# KiCad board CYOA_Ortho.kicad_pcb (continued)
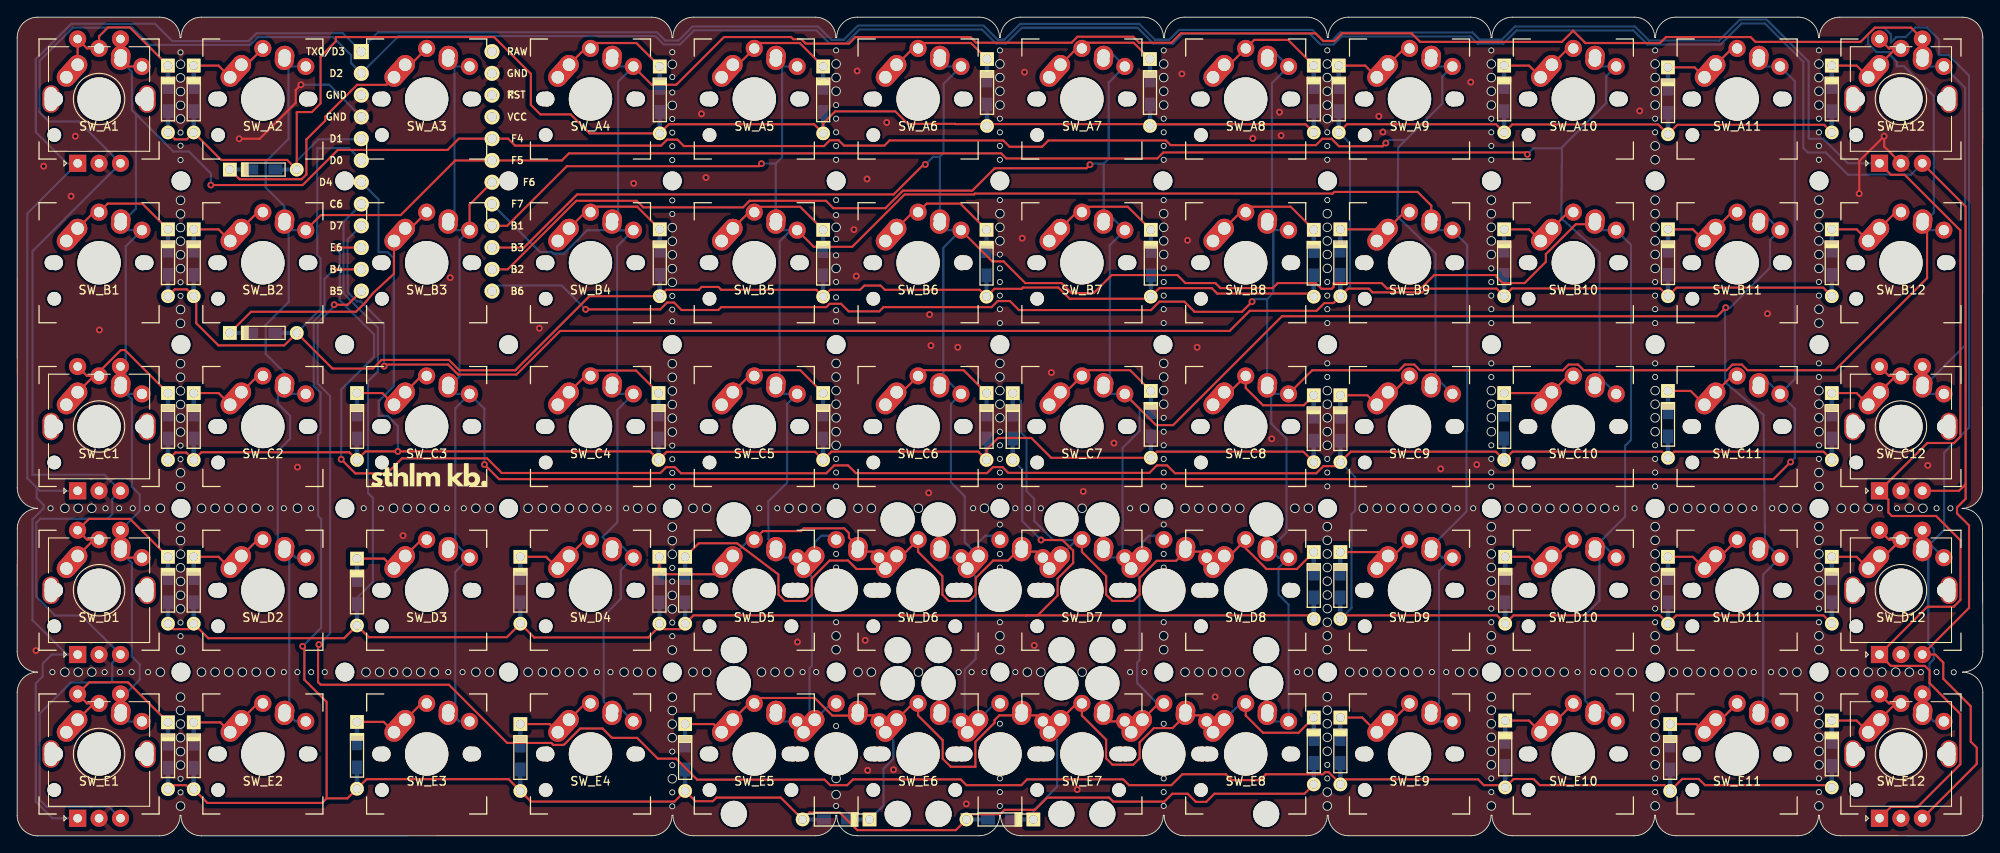
[diagram p0: board, top side]
## Nets (continued)

Pads without a net: U1 22 24

## Via types
v1: diameter 0.8, hole 0.4, Top to Bottom, 73 vias

## Routing (per net, layer and track width the routed paths; a pad name or vN(x,y) marks a point on that pad's centre or on a via; arc(x,y) is an arc through that point)
GND: length 31.2
  Top w0.25: SW4.C 217.69,80.41 v1(217.69,81.61) 214.79,78.71 v1(214.79,74.91) ; v1(33.09,87.61) 32.48,87 32.48,85.5 28.29,81.31 v1(25.89,81.31)
  Bottom w0.25: v1(33.09,87.61) 36.38,87.61 U1.4
  vias: v1(2.19,21.61) v1(3.09,78.11) v1(6.29,74.61) v1(6.79,81.61) v1(9.59,59.01) v1(32.69,43.01) v1(44.99,35.01) v1(50.49,65.11) v1(60.89,59.21) v1(71.89,76.11) v1(79.79,84.22) v1(80.32,76.79) v1(90.99,22.61) v1(97.57,70.71) v1(97.84,65.29) v1(97.95,89.22) v1(98.89,22.81) v1(99.1,76.62) v1(99.17,7.64) v1(101.39,83.21) v1(102.19,7.71) v1(106.29,40.01) v1(106.39,60.81) v1(106.55,57.19) v1(109.68,56.99) v1(110.67,3.73) v1(117.19,69.71) v1(117.46,89.08) v1(118.59,22.21) v1(120.59,54.04) v1(123.61,5.4) v1(124.31,40.17) v1(127.89,45.81) v1(135.81,88.88) v1(136.47,69.47) v1(137.59,56.99) v1(139.69,16.21) v1(144.08,81.35) v1(146.29,46.31) v1(147.19,84.41) v1(147.38,81.69) v1(158.78,83.93) v1(159.25,82.1) v1(165.99,42.81) v1(169.49,87.92) v1(170.19,43.31) v1(189.19,84.56) v1(204.09,60.91) v1(222.79,43.21)
A1RotA: length 17.7
  Top w0.25: D1.1 13.12,94.31 10.6,94.31 9.55,93.26 SW_A1.2 8.15,91.85 SW1.S2 SW_A1.2
A1RotB: length 290.1
  Top w0.25: 12.75,32.45 SW_D1.1 ; 12.75,89.75 SW_A1.1 ; v1(22.59,75.91) 33.29,75.91 37.39,80.01 50.19,80.01 51.5,81.32 U1.20 57.25,81.32 58.06,80.51 75.09,80.51 75.79,81.21 76.99,81.21 77.74,80.46 94.09,80.46 94.76,81.14 95.79,81.14 96.41,80.51 101.12,80.51 101.72,81.11 114.99,81.11 115.72,80.38 119.51,80.38 120.24,81.11 133.95,81.11 134.49,80.57 151.45,80.57 152.19,81.31 153.25,81.31 154.12,80.44 159.22,80.44 v1(159.59,80.81)
  Bottom w0.25: 12.62,16.55 14.29,18.21 14.29,20.01 13.38,20.92 13.38,31.83 SW_D1.1 ; SW_C9.1 166.07,52.83 SW_C9.1 ; SW_C9.1 165.39,52.79 165.39,67.94 160.95,72.25 161.03,80.28 161.92,81.18 ; 161.92,81.18 166.18,85.43 166.18,88.58 SW_A9.1 165.55,89.75 ; 161.92,81.18 159.95,81.18 v1(159.59,80.81) ; SW_A1.1 13.38,89.12 13.38,84.67 13.85,84.2 ; v1(22.59,75.91) 22.59,77.27 20.03,79.83 18.22,79.83 13.85,84.2 ; SW2.S1 14.29,37.89 14.29,39.81 13.38,40.72 13.38,50.92 SW_C1.1 ; SW_B1.1 13.85,73.15 13.85,84.2 ; 12.05,52.87 12.66,53.48 12.66,68.76 SW_B1.1 12.75,70.65 ; 12.75,13.35 SW_E1.1 ; 12.75,51.55 SW_C1.1
A12RotA: length 10.5
  Top w0.25: SW4.S2 218.25,91.85 SW_A12.2 ; SW_A12.2 214.48,89.85 D12.1 ; SW_A12.2 219.05,91.85
A12RotB: length 314.4
  Top w0.25: SW_A12.1 222.19,92.62 ; SW_A4.1 73.99,87.61 76.85,87.61 82.42,93.17 90.24,93.17 90.49,92.93 91.43,92.93 91.95,92.41 96.99,92.41 97.75,93.17 111.16,93.17 111.82,92.51 122.94,92.51 123.64,93.21 130.12,93.21 130.82,92.51 134.59,92.51 135.69,93.61 151.39,93.61 152.29,92.71 153.59,92.71 154.49,93.61 162.59,93.61 163.59,92.61 180.12,92.61 181.42,93.91 182.86,92.48 191.56,92.48 192.25,93.17 202.12,93.17 202.69,92.61 214.94,92.61 216.6,94.28 220.82,94.28 SW4.S1
  Bottom w0.25: SW_C12.1 227.14,57.24 227.14,87.26 SW_A12.1 222.85,89.75 ; 70.05,70.65 SW_B4.1 ; SW_B4.1 69.95,68.75 69.95,52.85 SW_C4.1 ; SW_B4.1 66.47,70.65 63.72,67.91 62.52,67.91 62.31,68.1 60.97,68.1 U1.17 ; 70.05,51.55 SW_C4.1 69.99,49.69 69.99,36.58 68.27,34.86 SW_D4.1 70.57,33.73 SW_D4.1 70.39,30.99 70.39,27.65 68.39,25.65 68.39,15.63 SW_E4.1 70.57,14.63 SW_E4.1 ; SW_B4.1 70.08,72.62 70.08,87.98 SW_A4.1 70.05,89.75 ; 222.85,51.55 SW_C12.1
C1RotA: length 16.8
  Top w0.25: SW_C1.2 8.95,53.65 ; D26.1 12.57,56.67 12.09,56.67 9.55,54.12 ; SW_C1.2 8.15,53.65 SW7.S2
C12RotA: length 10.5
  Top w0.25: SW_C12.2 218.25,53.65 SW8.S2 ; D25.1 214.48,51.65 SW_C12.2 ; SW_C12.2 219.05,53.65
col1: length 288.8
  Top w0.25: v1(176.09,79.5) 175.87,79.71 133.64,79.71 132.94,79.01 115.33,79.01 114.73,79.61 64.34,79.61 63.51,78.78 U1.19 51.09,78.78 44.72,72.41 35.41,72.41 SW_B2.1
  Bottom w0.25: SW_C10.1 185.17,52.83 SW_C10.1 184.52,53.36 184.52,67.98 180.06,72.03 180.12,80.21 ; SW_A2.1 31.64,89.96 31.64,81.3 28.98,78.64 28.98,75.62 31.15,73.45 SW_B2.1 31.66,70.84 31.66,62.27 28.98,59.59 28.98,56.22 31.15,54.05 SW_C2.1 30.39,51.49 30.39,50.44 31.83,48.99 31.83,46.32 30.39,44.87 30.39,34.11 30.29,34.01 ; 180.12,80.21 180.12,80.32 185.28,85.47 185.28,88.58 SW_A10.1 184.65,89.75 ; 180.12,80.21 176.8,80.21 v1(176.09,79.5) ; SW_E2.1 32.47,13.35 SW_E2.1 ; 31.85,51.55 SW_C2.1 ; 31.85,89.75 SW_A2.1 ; 31.73,15.17 31.73,32.57 ; 31.85,70.65 SW_B2.1 ; SW_D2.1 32.47,32.45 SW_D2.1
col2: length 310.4
  Top w0.25: SW_B3.1 52.75,73.62 U1.18 ; v1(54.49,43.31) 56.19,41.61 204.79,41.61 v1(206.79,43.61)
  Bottom w0.25: SW_C11.1 207.28,49.83 207.28,44.1 v1(206.79,43.61) ; SW_C11.1 204.27,52.83 SW_C11.1 ; SW_C11.1 207.28,53.28 207.28,88.03 SW_A11.1 203.75,89.75 ; 50.95,70.65 SW_B3.1 51.58,69.48 51.58,53.58 SW_C3.1 ; 50.95,89.75 SW_A3.1 ; SW_D3.1 51.47,33.73 SW_D3.1 51.09,30.79 51.09,15.43 SW_E3.1 51.57,13.35 SW_E3.1 ; SW_C3.1 54.47,49.83 54.47,43.33 v1(54.49,43.31) ; SW_C3.1 50.95,51.55 ; SW_C3.1 51.09,49.89 51.09,33.99 ; SW_A3.1 50.99,89.71 50.99,72.09 SW_B3.1
col4: length 272.8
  Top w0.25: SW_B9.1 164.89,73.52 163.3,75.11 153.59,75.11 153.4,74.92 111.66,74.92 111.55,74.81 103.47,74.81 97.37,68.71 92.89,68.71 SW_B5.1 ; U1.16 57.14,71.16 64.09,78.11 86.49,78.11 v1(86.79,78.41)
  Bottom w0.25: SW_A5.1 89.19,89.71 89.19,79.15 88.45,78.41 ; 165.55,70.65 SW_B9.1 169.07,68.92 169.07,47.24 168.99,47.16 168.99,37.83 SW_D9.1 166.17,32.45 SW_D9.1 165.79,30.89 165.79,15.53 SW_E9.1 ; SW_Ea5.1 94.9,15.45 ; SW_Da5.1 92.68,30.2 92.68,19.82 92.39,19.53 92.39,12.79 ; SW_C5.1 88.91,53.25 88.91,69.33 90.22,70.65 ; 89.15,89.75 SW_A5.1 ; 88.45,78.41 v1(86.79,78.41) ; 88.45,78.41 SW_B5.1 ; 89.15,51.55 SW_C5.1 89.78,50.38 89.78,41.2 87.59,39.01 87.59,34.63 SW_D5.1 ; 94.89,35.01 93.77,35.01 93,34.24 SW_Da5.1 ; 89.15,13.35 SW_E5.1 ; SW_E9.1 165.55,13.35 ; 89.15,32.45 SW_D5.1 ; SW_B5.1 89.15,70.65
col5: length 302.8
  Top w0.25: v1(105.89,78.31) 105.7,78.31 102.2,74.81 65.29,74.81 59.1,68.62 U1.15 ; SW_B6.1 113.69,67.01 115.01,67.01 117.55,64.48 121.79,64.48 122.96,63.31 125.52,63.31 127.62,65.41 135.29,65.41 136.22,64.48 139.72,64.48 140.31,63.89 146.4,63.89 146.99,64.48 151.42,64.48 152.09,63.81 153.29,63.81 153.49,64.01 153.49,64.45 153.52,64.48 159.1,64.48 159.73,63.85 163.67,63.85 165.23,65.41 172.49,65.41 172.51,65.39 172.51,65.19 173.22,64.48 175.77,64.48 178.25,66.96 178.25,67.85 181.75,71.35 SW_B10.1
  Bottom w0.25: 108.25,89.75 SW_A6.1 108.03,87.73 108.03,79.65 107.59,79.21 ; 107.59,79.21 106.79,79.21 v1(105.89,78.31) ; 107.59,79.21 SW_B6.1 ; 108.25,70.65 SW_B6.1 107.99,68.59 107.99,53.23 SW_C6.1 108.77,52.83 SW_C6.1 108.88,50.38 108.88,41.22 110.49,39.61 110.49,34.26 SW_Da6.1 112.1,34.24 112.87,35.01 113.99,35.01 ; 108.25,32.45 SW_D6.1 ; 108.25,13.35 SW_E6.1 ; SW_Ea6.1 114,15.45 ; SW_D10.1 184.49,32.61 184.49,27.43 182.79,25.73 182.79,15.83 SW_E10.1 185.17,14.63 SW_E10.1 ; SW_D10.1 185.17,33.73 SW_D10.1 187.49,37.23 187.49,45.51 188.18,46.2 188.18,68.92 SW_B10.1 184.65,70.65 ; SW_Da6.1 111.78,30.2 111.78,20.67 110.49,19.38 110.49,12.39
col6: length 315.7
  Top w0.25: SW_C7.1 132.79,47.91 134.79,47.91 147.49,60.61 198.22,60.61 v1(199.22,61.61) ; U1.14 57.19,66.08 65.19,74.08 72.24,74.08 73.01,73.31 84.64,73.31 85.4,74.08 94.31,74.08 95.18,73.21 101.24,73.21 103.29,75.26 111.36,75.26 113.98,77.88 124.67,77.88 v1(125.09,78.29) ; 133.1,15.45 SW_Ea7.1 ; 127.35,13.35 SW_E7.1
  Bottom w0.25: SW_A7.1 127.87,91.03 SW_A7.1 127.28,87.88 127.28,79 126.69,78.41 ; 127.35,51.55 SW_C7.1 130.88,49.83 130.88,47.24 128.89,45.26 128.89,37.91 128.91,37.89 128.91,35.92 128.89,35.9 128.89,32.71 ; 132.95,15.45 130.59,17.81 130.59,20.21 130.88,20.5 130.88,30.2 SW_Da7.1 ; 203.59,15.13 203.59,30.49 SW_D11.1 204.27,33.73 SW_D11.1 ; 126.69,78.41 SW_B7.1 127.87,71.93 SW_B7.1 127.4,68.9 127.4,53.54 SW_C7.1 ; 126.69,78.41 125.21,78.41 v1(125.09,78.29) ; SW_E11.1 203.75,13.35 ; SW_B11.1 204.27,71.93 SW_B11.1 204.38,69.48 204.38,66.27 199.73,61.61 v1(199.22,61.61) 199.13,61.52 199.17,52.89 203.63,49.1 203.8,34.44 203.55,34.19 ; 133.09,35.01 131.97,35.01 131.2,34.24 SW_Da7.1 ; 127.35,32.45 SW_D7.1
D1RotA: length 18.6
  Top w0.25: SW_D1.2 8.95,34.55 ; D48.1 13.16,36.97 8.38,36.97 SW2.S2 8.15,34.55 SW_D1.2
D12RotA: length 10.5
  Top w0.25: SW5.S2 218.25,34.55 SW_D12.2 217.75,32.65 ; SW_D12.2 214.48,32.55 D37.1
D12RotB: length 404.4
  Top w0.25: v1(66.29,61.41) 74.98,61.41 75.78,62.21 76.59,62.21 77.46,61.34 81.77,61.34 82.1,61.67 94.35,61.67 94.74,62.06 96.07,62.06 96.95,61.18 100.53,61.18 101.02,61.67 113.62,61.67 114.33,62.38 115.76,62.38 116.81,61.33 132.21,61.33 133.19,62.31 136.1,62.31 137.28,61.13 142.81,61.13 v1(143.99,62.31) ; SW_C8.1 151.01,54.31 161.14,54.31 161.8,54.97 162.9,54.97 163.56,54.31 180.24,54.31 180.9,54.97 182,54.97 182.66,54.31 199.34,54.31 200,54.97 201.1,54.97 201.76,54.31 211.96,54.31 222.7,65.05 222.7,70.8 SW_B12.1
  Bottom w0.25: SW_E12.1 223.47,13.35 SW_E12.1 ; SW_D12.1 223.37,33.73 SW_D12.1 ; SW_B8.1 146.45,70.65 ; v1(143.99,62.31) 144.29,62.61 145.75,62.61 ; 55.45,63.62 56.01,64.18 63.52,64.18 v1(66.29,61.41) ; 222.85,33.85 224.69,35.69 224.69,44.71 227.59,47.61 227.59,88.69 225.2,91.08 224.1,91.08 224.1,92.87 222.7,94.28 221.3,94.28 220.2,93.17 219.1,93.17 218.47,92.55 218.47,93.5 217.7,94.28 216.6,94.28 215.82,93.5 215.82,92.4 216.8,91.42 218.36,91.42 218.36,91.1 219.17,90.29 219.17,89.78 220,89.78 223.48,86.31 223.48,72.67 SW_B12.1 ; 145.75,62.61 SW_C8.1 146.23,51.77 146.23,48.08 148.01,46.31 148.01,35.41 SW_D8.1 ; 145.75,62.61 146.47,63.33 146.47,70.63 SW_B8.1 146.31,71.91 146.31,87.81 SW_A8.1 146.97,91.03 SW_A8.1 ; SW_B12.1 222.85,70.65 ; SW_C8.1 146.45,51.55 ; SW_D12.1 222.84,32.46 222.84,22.47 223.48,21.84 223.48,20.6 222.99,20.11 222.99,16.03 221.58,14.62 ; 146.45,13.35 SW_E8.1 148.25,26.96 147.08,28.13 147.08,31.28 SW_D8.1 147.07,32.45 SW_D8.1
E1RotA: length 18.7
  Top w0.25: D50.1 12.92,17.91 8.41,17.91 SW3.S2 8.15,15.45 SW_E1.2 ; SW_E1.2 8.95,15.45
E12RotA: length 10.5
  Top w0.25: SW6.S2 218.25,15.45 SW_E12.2 ; SW_E12.2 214.48,13.45 D49.1 ; SW_E12.2 219.05,15.45
encA: length 462.4
  Top w0.25: SW4.A 218.49,77.11 220.09,77.11 226.57,70.62 226.57,46.55 225.85,45.83 222.73,45.83 SW8.A 218.19,39.21 218.19,37.71 218.59,37.31 223.75,37.31 226.59,34.47 226.59,27.51 225.8,26.72 222.73,26.72 SW5.A 218.47,19.83 222.44,19.83 222.99,19.28 222.99,17.81 226.58,14.22 226.58,8.36 221.6,3.38 218.47,3.38 SW6.A
  Bottom w0.25: SW3.A 4.12,2.05 2.17,4 2.17,17.8 2.99,18.61 2.99,20.1 4.04,21.15 SW2.A 5.8,21.15 1.79,25.16 1.79,36.91 3.09,38.21 3.09,38.61 2.29,39.41 2.29,40.61 ; SW4.A 213.45,78.45 210.59,81.31 208.99,81.31 208.89,81.41 208.89,90.31 203.99,95.21 200.89,95.21 198.44,92.76 190.27,92.76 188.62,94.41 174.65,94.41 173.1,92.86 170.54,92.86 169.69,93.71 154.25,93.71 153.3,92.76 152.26,92.76 151.01,94.01 135.49,94.01 134.34,92.86 132.67,92.86 130.82,94.71 116.95,94.71 115.1,92.86 114.34,92.86 112.69,94.51 98.05,94.51 96.4,92.86 94.92,92.86 93.37,94.41 78.75,94.41 77.1,92.76 75.57,92.76 74.6,93.74 42.08,93.74 40.13,91.79 ; 2.29,40.61 1.19,41.71 1.19,72.59 SW1.A 5.8,78.45 2.17,82.08 2.17,90.6 6.3,94.72 16.08,94.72 18.09,92.71 27,92.71 27.91,93.62 37.99,93.62 U1.1 ; 2.29,40.61 2.65,40.25 SW7.A
encB: length 479.1
  Top w0.25: 227.19,41.01 227.19,39.31 226.19,38.31 226.19,37.61 227.59,36.21 227.59,26.59 SW5.B 223.65,21.15 224.59,20.21 224.59,18.32 227.79,15.12 227.79,10.99 228.49,10.29 228.49,8.39 SW6.B ; 227.19,41.01 227.19,73.41 SW4.B ; 227.19,41.01 226.43,40.25 SW8.B
  Bottom w0.25: SW3.B 10.73,3.38 3.45,3.38 2.62,4.2 2.62,14.25 6.25,17.88 10.85,17.88 11.09,18.11 11.09,20.19 SW2.B 7.49,25.71 4.41,25.71 2.24,27.89 2.24,36.52 2.71,36.99 10.57,36.99 11.09,37.51 11.09,39.29 SW7.B 10.19,42.11 1.79,42.11 1.79,68.19 SW1.B 7.18,83.32 3.69,83.32 2.62,84.39 2.62,90.4 6.5,94.28 13.42,94.28 15.44,92.26 27.19,92.26 28.1,93.17 36.83,93.17 38.93,91.07 38.93,90.14 U1.2 44.47,93.29 74.41,93.29 75.39,92.31 77.29,92.31 78.94,93.96 93.19,93.96 94.74,92.41 96.59,92.41 98.24,94.06 112.5,94.06 114.15,92.41 115.29,92.41 117.14,94.26 130.64,94.26 132.49,92.41 134.79,92.41 135.94,93.56 150.74,93.56 151.99,92.31 153.49,92.31 154.44,93.26 169.44,93.26 170.29,92.41 173.29,92.41 174.84,93.96 188.44,93.96 190.09,92.31 198.62,92.31 201.07,94.76 203.8,94.76 208.27,90.29 208.27,80.23 208.79,79.71 210.89,79.71 213.47,77.12 220.82,77.12 SW4.B
rowA: length 169.7
  Top w0.25: D8.2 150.24,83 132.28,83 ; 132,82.72 131.7,83.02 109.39,83.02 109.37,83.04 109.38,83.05 103.85,83.05 102.39,84.51 95.39,84.51 93.98,83.1 D5.2 92.93,83 75.99,83 D4.2 66.75,81.95 64.55,84.15 61.01,84.15 59.9,85.26 59.9,88.89 55.61,93.17 37.16,93.17 37.16,92.68 35.38,90.9 35.38,85.44 34.36,84.43 32.6,84.43 D3.2 31.48,78.84 23.79,78.84 D2.2 19.79,81.25 18.39,81.25 D1.2
  Bottom w0.25: 40.13,81.25 35.13,81.25 32.6,78.73 D3.2
rowB: length 177.2
  Top w0.25: D14.2 19.79,63.75 18.39,63.75 D13.2 ; 20.89,62.65 20.89,59.79 23.47,57.21 31.15,57.21 D15.2 36.76,54.51 41.49,54.51 42.49,55.51 50.35,55.51 51.55,54.31 58.09,54.31 66.72,62.95 D16.2 75.68,63.7 79.47,63.7 79.8,64.03 81.76,64.03 82.1,63.7 93.18,63.7 D17.2 94.78,63.7 98.29,63.7 98.78,64.19 100.67,64.19 101.17,63.7 112.23,63.7 D18.2 113.95,63.81 117.13,63.81 117.28,63.96 121.41,63.96 122.72,62.65 131.94,62.65 D19.2 133.18,63.89 139.29,63.89 139.92,63.26 150.82,63.26 D20.2
  Bottom w0.25: D15.2 35.38,61.44 35.38,67.36 34.99,67.74 34.99,80.21 38.7,80.21 U1.6
rowC: length 176.8
  Top w0.25: D33.2 149.97,44.81 132.9,44.81 D32.2 120.57,44.1 118.26,46.41 114.39,46.41 113.03,45.06 D31.2 112.06,44.82 94.96,44.82 D30.2 93.04,44.79 75.73,44.79 D29.2 73.8,44.84 40.62,44.84 D28.2 38.73,44.74 21.48,44.74 D27.2 19.73,44.71 18.45,44.71 D26.2
  Bottom w0.25: v1(44.39,44.84) 44.39,44.84 44.39,47.8 43.19,49 42.15,49 42.15,50.7 43.92,52.47 43.92,67.37 43.19,68.1 42.15,68.1 42.15,74.22 U1.7
rowD: length 217.4
  Top w0.25: 117.64,25.72 150.77,25.72 150.94,25.55 ; 117.64,25.72 119,25.72 121.32,28.05 121.32,30.02 123.13,31.83 123.13,33.26 121.88,34.51 v1(119.39,34.51) ; 117.64,25.72 117.65,25.71 78.85,25.71 77.25,24.11 75.53,24.11 75.05,24.59 73.6,23.14 60.28,23.14 D41.2 57.1,23.17 41,23.17 D40.2 38.14,23.05 22.28,23.05 D39.2 19.95,24.11 18.23,24.11 D48.2
  Bottom w0.25: D44.2 117.19,42.74 117.19,36.71 v1(119.39,34.51) ; U1.8 38.06,71.64 38.06,63.27 42.06,59.27 42.06,54.19 40.91,53.04 40.91,39.99 41.49,39.41 41.49,29.62 39.63,27.76 D40.2
rowE: length 274.9
  Top w0.25: D9.2 155.05,83 172.44,83 D10.2 174.32,82.98 191.35,82.98 D11.2 193.59,82.94 210.69,82.94 D12.2 ; v1(42.79,54.79) 42.97,54.97 50.25,54.97 51.41,53.81 58.22,53.81 63.31,58.89 141.37,58.89 143.72,61.25 151.52,61.25 152.43,62.15 153.49,62.15 D21.2 155.16,63.83 157.62,63.83 158.04,63.4 163.85,63.4 164.27,63.82 172.51,63.82 D22.2 174.29,63.85 191.59,63.85 D23.2 193.48,63.94 210.59,63.94 D24.2
  Bottom w0.25: U1.9 38.53,69.57 38.53,63.44 39.63,62.34 40.06,62.34 42.79,59.61 v1(42.79,54.79) ; D9.2 155.41,80.74 155.41,64.08 D21.2
rowF: length 289.9
  Top w0.25: D34.2 155.51,44.81 172.43,44.81 D35.2 174.35,44.81 191.78,44.81 D36.2 193.2,44.81 210.62,44.81 D25.2 ; v1(37.34,68.61) 37.35,68.62 U1.10 ; 154.7,25.71 172.54,25.71 D47.2 174.47,25.71 191.53,25.71 D38.2 193.45,25.71 210.62,25.71 D37.2 ; v1(37.79,43.93) 39.43,42.28 43.13,42.28 44.88,44.04 54.79,44.04 56.5,42.32 74.99,42.32 75.69,43.01 76.69,43.01 77.41,42.29 94.35,42.29 95.27,43.21 96.89,43.21 97.79,42.31 113.09,42.31 113.79,43.01 114.89,43.01 115.56,42.34 132.02,42.34 132.89,43.21 134.09,43.21 135.01,42.29 151.48,42.29 152.31,43.13 153.82,43.13
  Bottom w0.25: v1(37.79,43.93) 37.79,52.06 41.61,55.89 41.61,58.49 37.59,62.51 37.61,62.54 37.61,67.99 37.34,68.26 v1(37.34,68.61) ; D46.2 155.59,26.6 155.59,37.53 156.01,37.95 156.01,41.87 154.49,43.39
rowG: length 211.1
  Top w0.25: 36.09,4.38 36.09,15.61 33.49,18.21 33.49,21.91 v1(33.29,22.11) ; 36.09,4.38 38.51,4.38 D52.2 40.75,6.61 57.3,6.61 D53.2 59.91,4 76.65,4 D54.2 79.08,4.04 81.12,4.04 81.54,4.46 89.04,4.46 D55.2 92.39,2.71 95.91,2.71 97.96,0.67 109.44,0.67 D56.2 111.3,2.53 114.61,2.53 115.12,3.04 118.68,3.04 120.11,4.46 127.32,4.46 127.8,3.99 133.77,3.99 134.69,4.91 136.49,4.91 137.44,3.96 138.65,3.96 139.6,4.91 150.1,4.91 D57.2 ; 36.09,4.38 35.56,3.84 22.19,3.84 D51.2 ; v1(36.89,66.01) 36.96,66.08 U1.11 ; 18.06,5.91 19.69,5.91 20.16,5.44
  Bottom w0.25: v1(36.89,66.01) 35.83,64.95 35.83,61.25 34.59,60.02 34.59,52.49 35.38,51.7 35.38,47 35.09,46.71 35.09,37.31 35.45,36.95 35.45,24.27 v1(33.29,22.11)
rowH: length 237.6
  Top w0.25: 173.24,5.91 171.02,5.91 170.34,6.59 154.88,6.59 D58.2 ; v1(35.19,22.31) 35.09,22.21 35.09,17.93 35.39,17.62 50.35,17.62 57.14,10.84 62.29,10.84 62.52,10.61 63.73,10.61 65.65,12.52 68.26,12.52 69.35,11.43 72.28,11.43 74.7,9.01 76.83,9.01 79.29,6.55 94.15,6.55 94.79,5.91 96.79,5.91 97.46,6.58 110.02,6.58 110.69,5.91 117.09,5.91 117.77,6.59 128.97,6.59 129.65,5.91 134.59,5.91 135.86,7.18 140.93,7.18 141.61,6.5 144.92,6.5 145.6,7.18 152.26,7.18 152.5,7.42 152.92,7.42 154.29,6.06 ; U1.12 38.54,61.96 v1(36.96,61.96) ; 211.32,5.91 196.81,5.91 196.08,6.64 194.15,6.64 D60.2 192.07,5.91 177.54,5.91 176.83,6.62 174.48,6.62 D59.2
  Bottom w0.25: v1(36.96,61.96) 36.96,61.75 35.04,59.83 35.04,52.76 36.5,51.3 36.5,23.62 v1(35.19,22.31)
Net-(D2-K): length 9.6
  Top w0.25: D2.1 23.48,89.85 SW_A2.2 ; SW_A2.2 25.29,88.49
Net-(D3-K): length 29.9
  Top w0.25: SW_A3.2 43.05,87.6 39.63,87.6 35.92,83.9 35.92,83.43 33.73,81.23 33.73,77.15 33.17,76.59 25.93,76.59 D3.1 ; SW_A3.2 45.85,89.95
Net-(D4-K): length 12.2
  Top w0.25: D4.1 72.2,92.48 67.48,92.48 SW_A4.2 ; SW_A4.2 66.25,91.85
Net-(D5-K): length 12.1
  Top w0.25: 84.05,89.95 SW_A5.2 86.58,92.48 91.25,92.48 D5.1
Net-(D6-K): length 11.8
  Top w0.25: SW_A6.2 105.68,92.48 111.22,92.48 D6.1 ; SW_A6.2 104.45,91.85
Net-(D7-K): length 11.8
  Top w0.25: SW_A7.2 123.55,91.85 ; 132.19,90.51 130.18,92.52 124.82,92.52 SW_A7.2
Net-(D8-K): length 12.3
  Top w0.25: 141.35,89.95 SW_A8.2 144.25,92.85 148.19,92.85 D8.1
Net-(D9-K): length 7.7
  Top w0.25: SW_A9.2 161.75,91.85 ; SW_A9.2 157.18,89.85 D9.1
Net-(D10-K): length 7.5
  Top w0.25: D10.1 176.28,89.85 SW_A10.2 ; SW_A10.2 180.85,91.85
Net-(D11-K): length 7.4
  Top w0.25: D11.1 195.59,89.64 SW_A11.2 ; SW_A11.2 199.95,91.85
Net-(D13-K): length 12.4
  Top w0.25: D13.1 14.59,73.75 10.55,73.75 SW_B1.2 ; SW_B1.2 8.95,72.75
Net-(D14-K): length 7.5
  Top w0.25: SW_B2.2 28.05,72.75 ; SW_B2.2 23.48,70.75 D14.1
Net-(D15-K): length 28.5
  Top w0.25: SW_B3.2 45.85,70.85 ; SW_B3.2 43.94,65.56 41.5,63.31 40.67,62.3 39.51,61.14 27.27,61.14 D15.1
Net-(D16-K): length 12.1
  Top w0.25: SW_B4.2 67.49,73.39 72.29,73.39 D16.1 ; SW_B4.2 66.25,72.75
Net-(D17-K): length 12.1
  Top w0.25: D17.1 91.3,73.38 86.58,73.38 SW_B5.2 ; SW_B5.2 85.35,72.75
Net-(D18-K): length 12.3
  Top w0.25: SW_B6.2 104.45,72.75 ; D18.1 109.98,73.75 106.05,73.75 SW_B6.2
Net-(D19-K): length 12.1
  Top w0.25: SW_B7.2 123.55,72.75 ; SW_B7.2 124.78,73.38 129.5,73.38 D19.1
Net-(D20-K): length 12
  Top w0.25: SW_B8.2 143.88,73.38 148.5,73.38 D20.1 ; SW_B8.2 142.65,72.75
Net-(D21-K): length 8.1
  Top w0.25: SW_B9.2 161.75,72.75 ; D21.1 159.75,70.75
Net-(D22-K): length 7.5
  Top w0.25: SW_B10.2 180.85,72.75 ; SW_B10.2 176.28,70.75 D22.1
Net-(D23-K): length 7.5
  Top w0.25: D23.1 195.38,70.75 SW_B11.2 ; SW_B11.2 199.95,72.75
Net-(D24-K): length 7.5
  Top w0.25: SW_B12.2 219.05,72.75 ; SW_B12.2 214.48,70.75 D24.1
Net-(D27-K): length 7.5
  Top w0.25: SW_C2.2 23.48,51.65 D27.1 ; SW_C2.2 28.05,53.65
Net-(D28-K): length 7.6
  Top w0.25: D28.1 42.58,51.65 SW_C3.2 ; SW_C3.2 47.15,53.65
Net-(D29-K): length 12
  Top w0.25: SW_C4.2 66.25,53.65 ; D29.1 72.16,54.28 67.48,54.28 SW_C4.2
Net-(D30-K): length 12.1
  Top w0.25: SW_C5.2 86.62,54.32 91.31,54.32 D30.1 ; SW_C5.2 85.35,53.65
Net-(D31-K): length 12.1
  Top w0.25: D31.1 110.36,54.32 105.72,54.32 SW_C6.2 103.15,51.75
Net-(D32-K): length 12
  Top w0.25: 122.25,51.75 SW_C7.2 124.82,54.32 129.77,54.32 D32.1
Net-(D33-K): length 13.4
  Top w0.25: D33.1 150.02,50.22 145.26,50.22 143.25,52.24 SW_C8.2 141.35,51.75
Net-(D34-K): length 9.5
  Top w0.25: 158.99,50.29 SW_C9.2 ; SW_C9.2 157.44,51.39 D34.1
Net-(D35-K): length 8.1
  Top w0.25: D35.1 178.85,51.65 ; SW_C10.2 180.85,53.65
Net-(D36-K): length 7.6
  Top w0.25: SW_C11.2 199.95,53.65 ; SW_C11.2 195.13,51.9 D36.1
Net-(D38-K): length 7.5
  Top w0.25: SW_D11.2 195.38,32.55 D38.1 ; SW_D11.2 198.65,32.65
Net-(D39-K): length 7.5
  Top w0.25: D39.1 23.48,32.55 SW_D2.2 ; SW_D2.2 28.05,34.55
Net-(D40-K): length 7.5
  Top w0.25: D40.1 42.79,32.34 SW_D3.2 ; SW_D3.2 47.15,34.55
Net-(D41-K): length 7.6
  Top w0.25: SW_D4.2 61.68,32.55 D41.1 ; SW_D4.2 66.25,34.55
Net-(D42-K): length 27.6
  Top w0.25: SW_D5.2 86.95,35.55 91.4,35.55 91.73,35.88 96.43,35.88 96.99,35.31 96.99,34.78 SW_Da5.2 ; 100.46,32.49 99.8,33.15 SW_Da5.2 ; 81.46,30.51 75.39,30.51 74.89,31.01 D42.1
  Bottom w0.25: SW_D5.2 85.35,34.55
Net-(D43-K): length 57.6
  Top w0.25: 101.18,31.12 97.88,31.12 96.89,32.11 94.74,32.11 92.65,30.02 92.65,28.12 91.93,27.4 89.52,27.4 88.78,28.14 88.76,30.49 83.94,34.13 79.47,34.13 D43.1 ; SW_Da6.2 118.9,33.15 119.56,32.49 ; SW_Da6.2 115.52,32.11 113.81,32.11 111.78,30.08 111.78,28.14 111.03,27.4 108.62,27.4 107.88,28.14 107.88,30.31 105.05,33.14 SW_D6.2 103.15,32.65
Net-(D44-K): length 48.4
  Top w0.25: SW_D7.2 124.15,33.14 126.97,30.31 126.97,28.14 127.72,27.4 130.13,27.4 130.88,28.14 130.88,30.08 132.88,32.08 135.13,32.08 SW_Da7.2 138,33.15 138.66,32.49
  Bottom w0.25: SW_D7.2 123.55,34.55 ; D44.1 117.01,50.71 117.01,47.09 117.69,46.41 117.69,40.21 118.59,39.31 118.59,36.73 120.82,34.5 124.1,34.5
Net-(D45-K): length 13.5
  Top w0.25: 141.35,32.65 SW_D8.2 143.25,33.55 145.67,31.12 149.21,31.12 D45.1
Net-(D46-K): length 7.8
  Top w0.25: D46.1 159.4,33.1 ; SW_D9.2 160.45,32.65
Net-(D47-K): length 7.4
  Top w0.25: SW_D10.2 176.28,32.55 D47.1 ; SW_D10.2 179.55,32.65
Net-(D51-K): length 7.4
  Top w0.25: D51.1 23.69,13.24 SW_E2.2 ; SW_E2.2 28.05,15.45
Net-(D52-K): length 7.5
  Top w0.25: SW_E3.2 42.74,13.29 D52.1 ; SW_E3.2 47.15,15.45
Net-(D53-K): length 7.4
  Top w0.25: D53.1 62.09,13.04 SW_E4.2 ; SW_E4.2 66.25,15.45
Net-(D54-K): length 22.8
  Top w0.25: SW_E5.2 85.35,15.45 ; 97.44,14.03 95.05,14.03 92.99,16.08 86.58,16.08 SW_E5.2 ; SW_E5.2 81.19,13.04 77.73,13.04 ; 100.46,13.39 99.8,14.05 SW_Ea5.2
Net-(D55-K): length 38.7
  Top w0.25: SW_E6.2 104.45,15.45 ; 119.56,13.39 118.9,14.05 SW_Ea6.2 114.51,14.05 113.97,13.51 113.97,13.19 111.73,10.95 111.73,8.07 111.72,8.06 108.86,8.06 107.92,9 107.92,11.17 105.05,14.04 SW_E6.2
  Bottom w0.25: D55.1 101.02,3.54 101.02,7.84 102.16,8.98 102.16,11.17 SW_E6.2
Net-(D56-K): length 37.7
  Top w0.25: SW_E7.2 124.15,14.04 126.97,11.21 126.97,9.04 127.72,8.3 130.13,8.3 130.88,9.04 130.88,10.9 132.55,12.57 134.72,12.57 SW_Ea7.2 138,14.05 138.66,13.39 ; SW_E7.2 123.55,15.45
  Bottom w0.25: SW_E7.2 121.26,11.17 121.26,5.73 118.49,2.96 D56.1
Net-(D57-K): length 13.6
  Top w0.25: D57.1 149.41,12.03 145.26,12.03 143.25,14.04 SW_E8.2
  Bottom w0.25: SW_E8.2 142.65,15.45
Net-(D58-K): length 7.6
  Top w0.25: SW_E9.2 156.83,13.8 D58.1 ; SW_E9.2 160.45,13.55
Net-(D59-K): length 7.4
  Top w0.25: D59.1 176.28,13.45 SW_E10.2 ; SW_E10.2 179.55,13.55
Net-(D60-K): length 7.1
  Top w0.25: D60.1 195.79,13.04 SW_E11.2 ; SW_E11.2 198.65,13.55

## Copper pours and planes (outline as drawn; the poured copper is in the pictures)
GND on Top, Bottom: -1.51,97.11 -3.01,-1.89 231.69,-1.59 230.89,98.81 -1.51,97.21

## Text on the board
B.Silkscreen: 6. Install stabs, / switches & / optional encoder | JLCJLCJLCJLC | 7. Enjoy! | E | An encoder can / be placed in a / corner with | 5. Flash & solder / controller, test / switch contacts | 4. Solder switches / above controller, / trim and tape pins | 3. Solder diodes / (note orientation) | 2. Carefully snap / along perforations | FR4 is sharp, / be careful | Sand or file / edges to smoothen | 1. Decide what size / board you want | Anything from 5x12 / to 3x3 is possible | Build instructions: | sthlmkb.com | Solder these / swtiches first, / trim pins & / isolate w/ / el tape | STHLM kb CYOA Ortho | Install Pro Micro / on this side with / components facing / the board | v0.4 | design by mohoyt | CHOOSE YOUR OWN / ADVENTURE
